# Altium PCB Dahlia Carrier Board.PcbDoc (part 3 of 10) (continued)
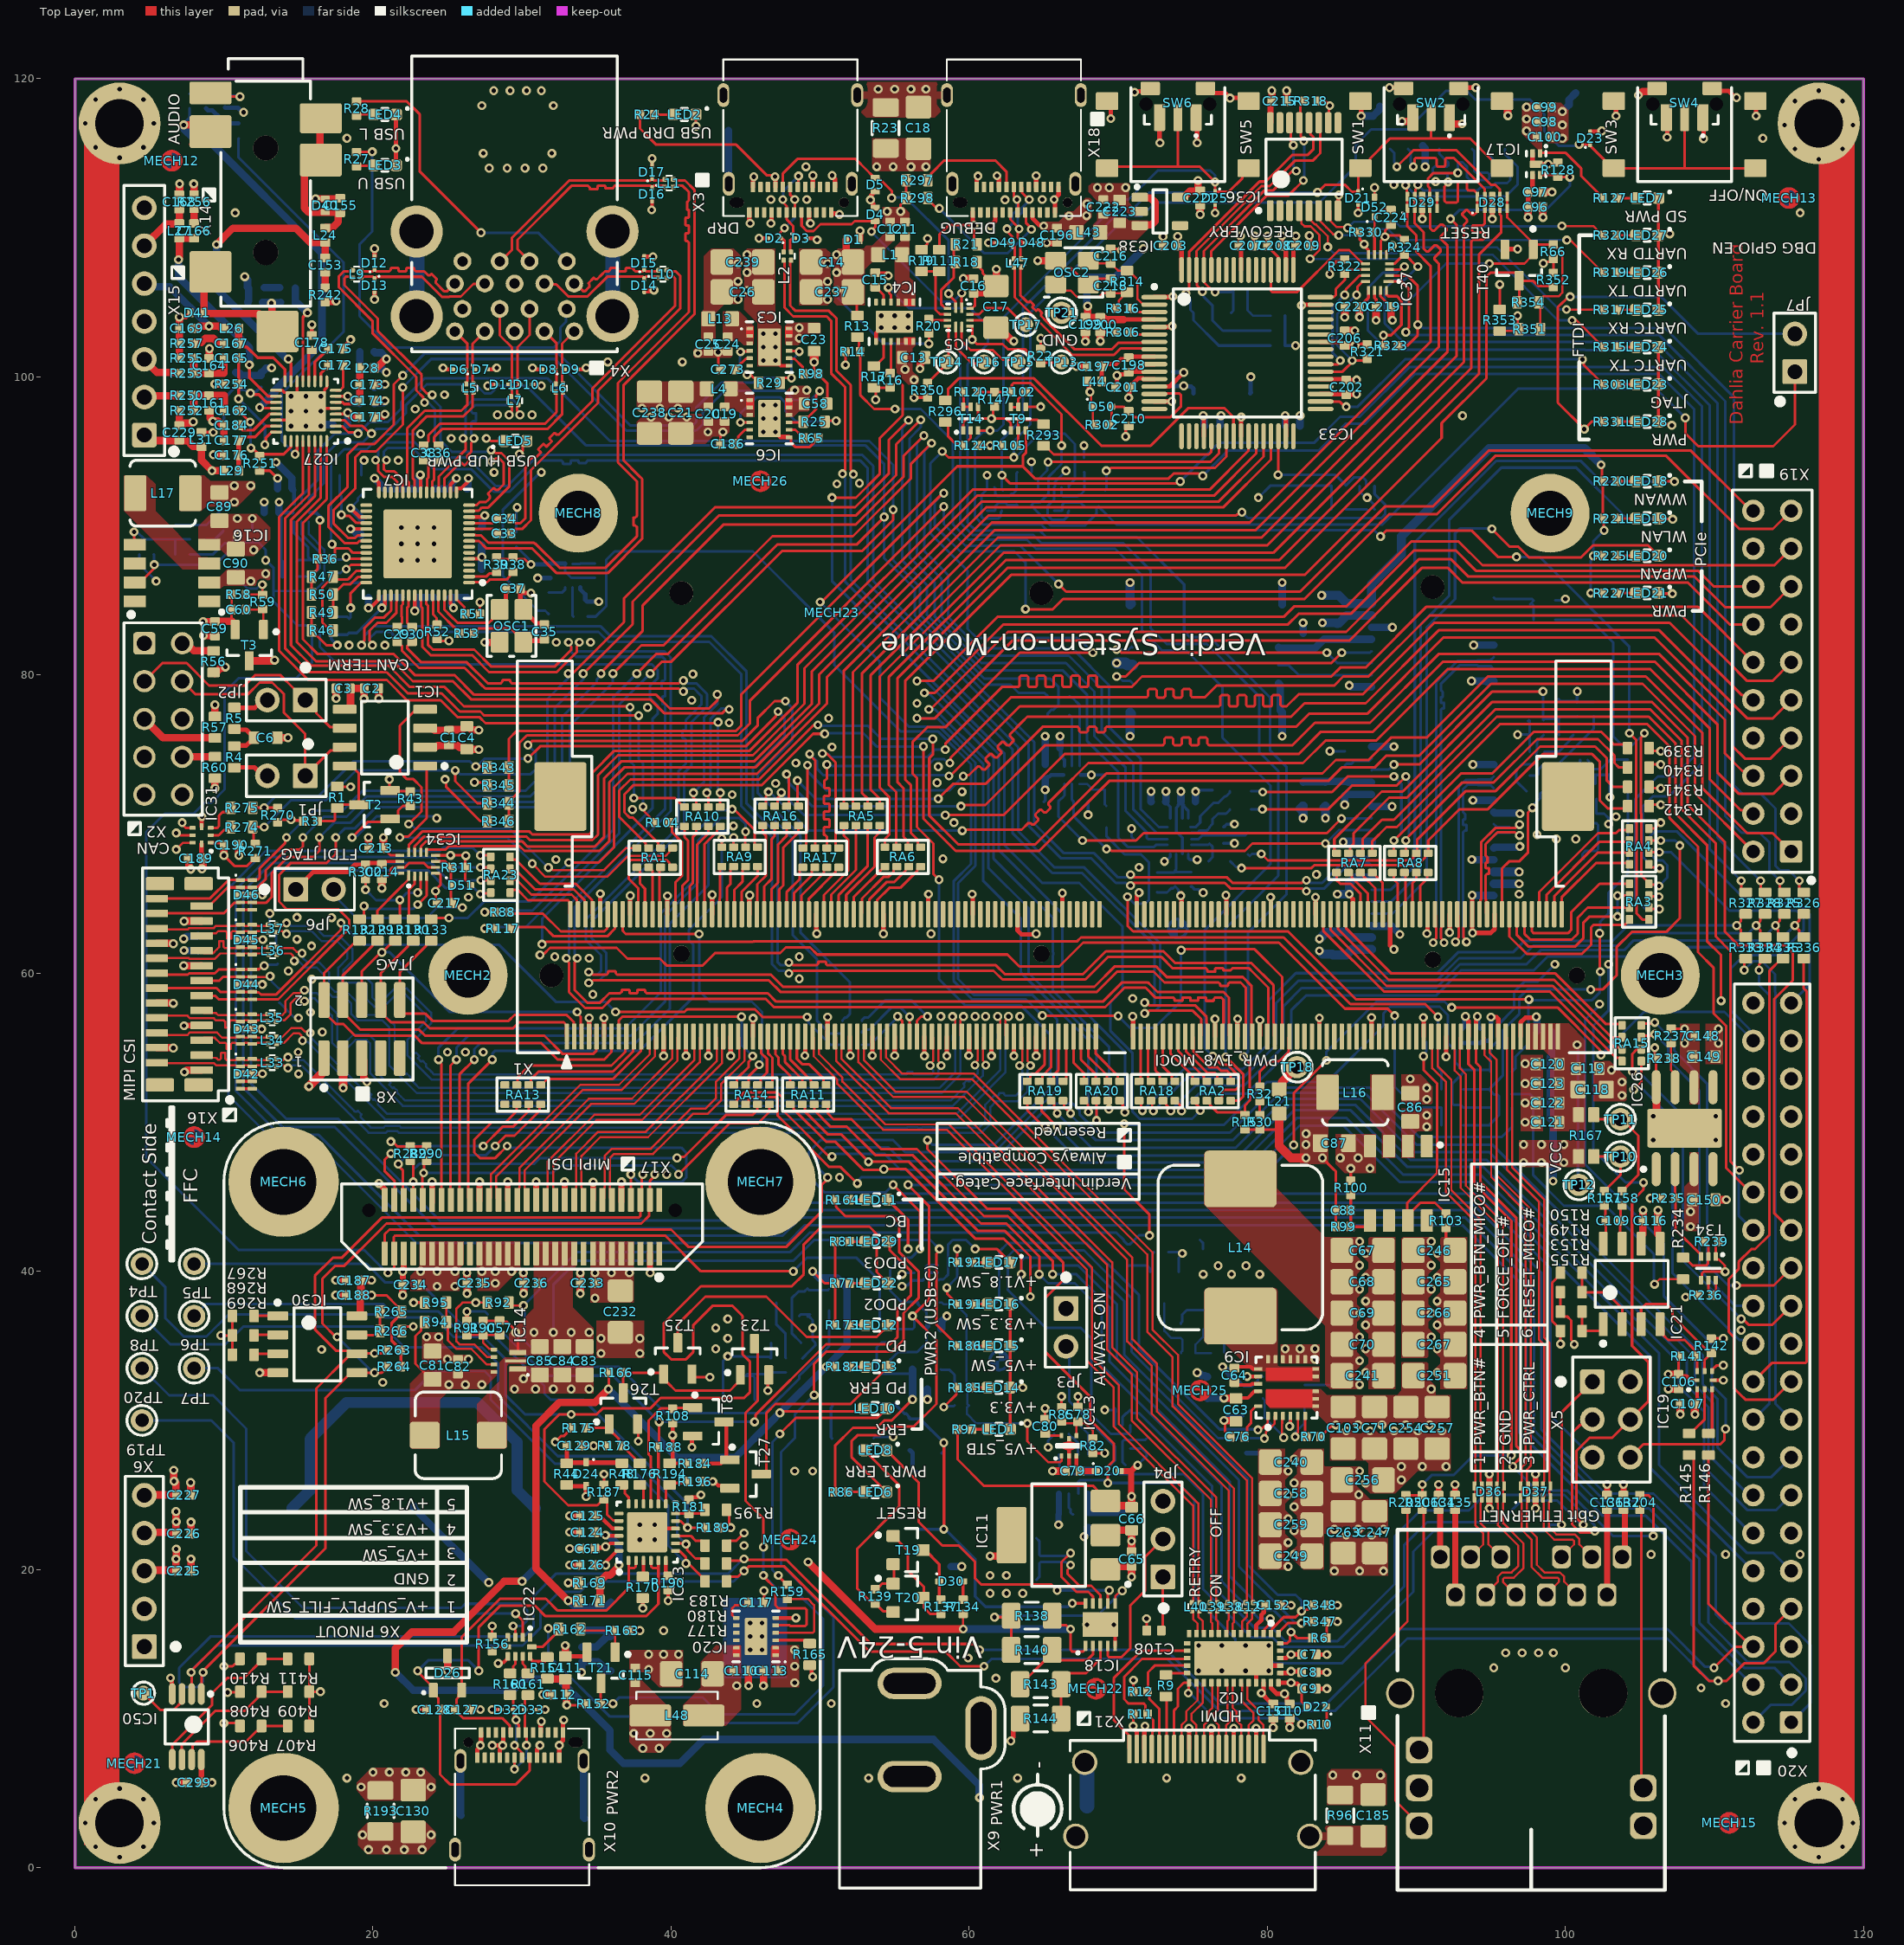
[diagram p0: Top Layer view]
## Part data (continued)
OSC2: library part OSC-HKC-HKC3225SX-12MHz-29105-R4V1, "12MHz Ceramic SMD Crystal, Hong Kong X’tals Limited, HKC3225SX-12MHz-29105-R4V1, 30ppm, -40C to +85C", Manufacturer Name="Hong Kong X’tals Limited", Package="3.2mm X 2.5mm", Temperature Range="-40C to +85C", Tolerance="+/- 30 ppm", Manufacturer Part No.=HKC3225SX-12MHz-29105-R4V1
R1 R7 R8 R9 R13 R25 R29 R34 R42 R45 R56 R60 R61 R64 R67 R68 R69 R89 R92 R94 R95 R101 R116 R129 R130 R131 R132 R133 R145 R146 R149 R150 R153 R155 R162 R165 R169 R170 R171 R177 R180 R194 R195 R210 R211 R213 R217 R230 R231 R232 R234 R247 R265 R266 R267 R268 R269 R274 R275 R278 R279 R280 R281 R291 R292 R293 R294 R295 R296 R325 R326 R327 R328 R333 R334 R335 R336 R339 R340 R341 R342 R343 R344 R345 R346 R351 R353 R354 R406 R407 R408 R409 R410 R411: library part R-0R-63mW-1%-0603, "Resistor 0 ohm 63mW 1% 0603", Rating=63mW, Tolerance=1%
R2 R297 R298: library part R-5.1K-63mW-1%-0603, "Resistor 5.1 Kohm 63mW 1% 0603", Rating=63mW, Tolerance=1%
R3 R14 R15 R16 R22 R30 R33 R35 R36 R43 R66 R73 R74 R78 R80 R87 R93 R103 R108 R110 R113 R114 R118 R121 R123 R125 R126 R128 R137 R147 R152 R163 R166 R175 R178 R181 R184 R187 R188 R189 R190 R196 R214 R222 R226 R228 R229 R233 R236 R239 R282 R283 R284 R285 R300 R321 R322 R323 R324 R350 R352: library part R-100K-63mW-5%-0402, "Resistor 100 Kohm 63mW 5% 0402", Rating=63mW, Tolerance=5%
R4 R5: library part R-56R-125mW-1%-0603, "Resistor 56 ohm 125mW 1% 0603", Rating=125mW, Tolerance=1%
R6 R37 R40 R41 R58 R59 R63 R72 R79 R105 R112 R119 R124 R141 R142 R156 R208 R209 R223 R235 R251 R254 R272 R273 R287 R301 R302 R307 R308 R309 R311 R318 R330 R347 R348: library part R-10K-63mW-5%-0402, "Resistor 10 Kohm 63mW 5% 0402", Rating=63mW, Tolerance=5%
R10: library part R-27K-63mW-5%-0402, "Resistor 27 Kohm 63mW 5% 0402", Rating=63mW, Tolerance=5%
R11 R12 R263 R264 R270 R271 R289 R290: library part R-1.8K-63mW-5%-0402, "Resistor 1.8 Kohm 63mW 5% 0402", Rating=63mW, Tolerance=5%
R17: library part R-28.7K-63mW-1%-0603, "Resistor 28.7 Kohm 63mW 1% 0603", Rating=63mW, Tolerance=1%
R18 R19 R21 R54 R55 R111: library part R-10K-63mW-5%-0603, "Resistor 10 Kohm 63mW 5% 0603", Rating=63mW, Tolerance=5%
R20: library part R-887K-63mW-1%-0402, "Resistor 887 Kohm 63mW 1% 0402", Rating=63mW, Tolerance=1%
R23 R26 R96 R193 R207: library part R-1M-250mW-5%-1206, "Resistor 1 Mohm 250mW 5% 1206", Rating=250mW, Tolerance=5%
R24 R27 R28 R77 R81 R97 R159 R164 R173 R182 R186 R249 R310: library part R-2.2K-63mW-5%-0402, "Resistor 2.2 Kohm 63mW 5% 0402", Rating=63mW, Tolerance=5%
R31 R32 R88 R104 R117 R219 R224 R316: library part R-22R-63mW-5%-0402, "Resistor 22 ohm 63mW 5% 0402", Rating=63mW, Tolerance=5%
R38 R39 R52 R62 R76 R86 R127 R134 R179 R185 R191 R192 R220 R221 R225 R227 R303 R315 R317 R319 R320 R331: library part R-1K-63mW-5%-0402, "Resistor 1 Kohm 63mW 5% 0402", Rating=63mW, Tolerance=5%
R44: library part R-470R-63mW-1%-0603, "Resistor 470 Ohm 63mW 1% 0603", Rating=63mW, Tolerance=1%
R46 R47 R49 R50: library part R-200K-63mW-5%-0603, "Resistor 200 Kohm 63mW 5% 0603", Rating=63mW, Tolerance=5%
R48 R176 R183: library part R-1K-63mW-5%-0603, "Resistor 1 Kohm 63mW 5% 0603", Rating=63mW, Tolerance=5%
R51 R306: library part R-12K-63mW-1%-0402, "Resistor 12 Kohm 63mW 1% 0402", Rating=63mW, Tolerance=1%
R53 R157 R158: library part R-10R-63mW-5%-0402, "Resistor 10 ohm 63mW 5% 0402", Rating=63mW, Tolerance=5%
R57: library part R-100R-63mW-5%-0603, "Resistor 100 ohm 63mW 5% 0603", Rating=63mW, Tolerance=5%
R65 R75 R98: library part R-15KR-63mW-1%-0402, "Resistor 15 Kohm 63mW 1% 0402", Rating=63mW, Tolerance=1%
R70: library part R-330KR-63mW-1%-0402, "Resistor 330 Kohm 63mW 1% 0402", Rating=63mW, Tolerance=1%
R71 R212: library part R-47K-63mW-1%-0402, "Resistor 47 Kohm 63mW 1% 0402", Rating=63mW, Tolerance=1%
R82: library part R-261K-63mW-1%-0402, "Resistor 261 Kohm 63mW 1% 0402", Rating=63mW, Tolerance=1%
R83 R84: library part R-100K-63mW-5%-0603, "Resistor 100 Kohm 63mW 5% 0603", Rating=63mW, Tolerance=5%
R85: library part R-33K-63mW-1%-0402, "Resistor 33 Kohm 63mW 1% 0402", Rating=63mW, Tolerance=1%
R90: library part R-732K-63mW-1%-0402, "Resistor 732 Kohm 63mW 1% 0402", Rating=63mW, Tolerance=1%
R91: library part R-100K-63mW-1%-0402, "Resistor 100 Kohm 63mW 1% 0402", Rating=63mW, Tolerance=1%
R99: library part R-300K-63mW-1%-0402, "Resistor 300 Kohm 63mW 1% 0402", Rating=63mW, Tolerance=1%
R100 R106 R107: library part R-150K-63mW-1%-0402, "Resistor 150 Kohm 63mW 1% 0402", Rating=63mW, Tolerance=1%
R102 R109 R115 R120 R245: library part R-1M-63mW-5%-0402, "Resistor 1 Mohm 63mW 5% 0402", Rating=63mW, Tolerance=5%
R135 R167: library part R-Vishay-WSK1206R0100FEA18, "10 mOhms ±1% 0.5W,Chip Resistor 1206 (3216 Metric) Current Sense, Moisture Resistant, Pulse Withstanding Metal Element", Manufacturer Name=Vishay, Manufacturer Part No.=WSK1206R0100FEA18, Rating=0.5W, Tolerance=1%, ClassName=Power_Poly
R136: library part R-22K-250mW-1%-1206, "Resistor 22 Kohm 250mW 1% 1206", Rating=250mW, Tolerance=1%
R138: library part R-300K-250mW-1%-1206, "Resistor 300 Kohm 250mW 1% 1206", Rating=250mW, Tolerance=1%
R139 R204 R205 R206: library part R-330R-63mW-5%-0402, "Resistor 330 ohm 63mW 5% 0402", Rating=63mW, Tolerance=5%
R140: library part R-412K-250mW-1%-1206, "Resistor 412 Kohm 250mW 1% 1206", Rating=250mW, Tolerance=1%
R143: library part R-84.5K-250mW-1%-1206, "Resistor 84.5 Kohm 250mW 1% 1206", Rating=250mW, Tolerance=1%
R144: library part R-15K-250mW-1%-1206, "Resistor 15 Kohm 250mW 1% 1206", Rating=250mW, Tolerance=1%
R154 R160 R161: library part R-2.2R-63mW-5%-0603, "Resistor 2.2 ohm 63mW 5% 0603", Rating=63mW, Tolerance=5%
R237: library part R-40.2KR-63mW-1%-0402, "Resistor 40.2 Kohm 63mW 1% 0402", Rating=63mW, Tolerance=1%
R238: library part R-20KR-63mW-1%-0402, "Resistor 20 Kohm 63mW 1% 0402", Rating=63mW, Tolerance=1%
R242 R243 R256 R257: library part R-20R-63mW-5%-0402, "Resistor 20 ohm 63mW 5% 0402", Rating=63mW, Tolerance=5%
R250 R252 R253 R255: library part R-5.6K-63mW-5%-0402, "Resistor 5.6 Kohm 63mW 5% 0402", Rating=63mW, Tolerance=5%
R314: library part R-1M-63mW-5%-0603, "Resistor 1Mohm 63mW 5% 0603", Rating=63mW, Tolerance=5%
RA1 RA2 RA3 RA4 RA5 RA6 RA7 RA8 RA9 RA10 RA11 RA13 RA14 RA15 RA16 RA17 RA18 RA19 RA20 RA22 RA23: library part RA-22R-63mW-5%-1206-div, "Resistor Array 22 R 63mW 5% 1206", Power Dissipation=63mW, Tolerance=5%
SW1 SW3 SW5: library part SW-WMF-TD-03XB, "Push Button", Manufacturer Name=WMF, Manufacturer Part No.=TD-03XB-Z, Rating=50mA
SW2 SW4 SW6: library part SW-E-Switch-TL3340AF160QG, "SWITCH TACT SUB MINI 160GF SMD Right Angle", Manufacturer Name=E-Switch, Manufacturer Part No.=TL3340AF160QG
T1 T6: library part T-ONSemi-NTZD3155CT1G, "N- and P-Channel MOSFET 20V", Manufacturer Name=ONSemi, Manufacturer Part No.=NTZD3155CT1G
T2 T8 T13 T16 T21 T23 T25 T26 T27 T40: library part T-Diodes-BSS138-7-F, "N-channel MOSFET, BSS138-7-F", Manufacturer Name=Diodes, Manufacturer Part No.=BSS138-7-F
T3 T32: library part T-IR-IRLML6401PbF-SOT-23, "p-channel MOSFET, IRLML6401PbF", Manufacturer Name="International Rectifier", Manufacturer Part No.=IRLML6401PbF
T5 T19 T20: library part "T-ONSemi-MMBT5551LT1G -SOT-23", "Bipolar Transistor NPN 160V 600mA  225mW Surface Mount SOT-23-3", Manufacturer Name=ONSemi, Manufacturer Part No.=MMBT5551LT1G
T9 T10 T12 T14 T29 T31 T33 T34 T37: "Dual N-Channel 20V (D-S)  MOSFET", Manufacturer Name=ONSemi, Manufacturer Part No.=NTZD3154NT1G
T11: library part T-Diodes-DMP2022LSS-13-8-SOIC, "p-channel MOSFET, DMP2022LSS-13", Manufacturer Name=DIODES, ClassName=Power_Poly, Manufacturer Part No.=DMP2022LSS-13
T15: library part T-DiodesInc-DMP4015SSS-13, "P-channel MOSFET, DMP4015SSS-13", Manufacturer Name="Diodes Inc", ClassName=Power_Poly, Manufacturer Part No.=DMP4015SSS-13
T17 T18: library part T-ONSemi-NTMFS5C670NLT1G, "MOSFET N-CH 60V 68A SO8FL", Manufacturer Name=ONSemi, Manufacturer Part No.=NTMFS5C670NLT1G
TP1 TP13 TP14 TP15 TP16 TP17: "Testpin SMD"
TP4 TP5 TP6 TP7 TP8 TP10 TP11 TP12 TP18 TP19 TP20 TP21: "Testpin THT"
X1: library part CON-TE-2309409-2, "DDR4 SODIMM Socket, 260 pins, 5.2mm(H), 0.5mm Pitch", Manufacturer Name=TE, Package=DDR4-SODIMM-260, Temperature Range="-40C to +125C", Manufacturer Part No.=2309409-2
X2: library part CON-Header-2x5-Male-2.54mm, "Header Male, 2x5 Pins, 2.54mm pitch", Manufacturer Name=FCI, Manufacturer Part No.=77313-101-10LF, No. of ways=10
X3 X10 X18: library part CON-Amphenol-12401598E4#2A, "USB 3.1 Gen 2, Input Output Connectors, USB type C, Receptacle, Top mount, dual-row SMT, 1.6mmPCB", Manufacturer Name=Amphenol, Manufacturer Part No.=12401598E4#2A, No. of ways=24
X4: library part CON-Amphenol-GSB311231HR, "USB 3.0 double row, Type A", Manufacturer Name=Amphenol, Manufacturer Part No.=GSB311231HR, No. of ways=18
X5: library part CON-Samtec-SSW-103-01-G-D, "Receptacle Female Socket, 2x3 Pins, 2.54mm pitch", Manufacturer Name=Samtec, Manufacturer Part No.=SSW-103-01-G-D, No. of ways=2x3, Pitch=2.54mm
X6: library part CON-Tyco-826936-5-1X5-2.54mm, "Header, 5-Pin", Manufacturer Name=Tyco, Manufacturer Part No.=826936-5, No. of ways=1X5, Pitch=2.54mm
X7: library part CON-Wurth-693071010811, "Micro SD Holder Push Push CD", Manufacturer Name=Wurth, Manufacturer Part No.=693071010811, No. of ways=9
X8: library part CON-Samtec-FTSH-105-01-L-DV-1X10-1.27mm, "Male Header, 10-Pin, 1.27mm Pitch", Manufacturer Name=Samtec, Manufacturer Part No.=FTSH-105-01-L-DV-K, No. of ways=1X10, Pitch=1.27mm
X9: library part CON-SWC-RAPC722X, "Power Jack", Manufacturer Name=SWC, Manufacturer Part No.=RAPC722X
X11: library part CON-ETH-RJ45-1000BaseT, "10/100/1000 MBit/s Gigabit Ethernet RJ45 Connector, Low profile, Mag Jack, Temp. Range: -40C to +100C", Manufacturer Name=LINK-PP, Manufacturer Part No.=LPJK7436A98NL
X12: library part CON-Molex-1042240820, "6 Contacts Nano Sim Card Holder", Manufacturer Name=Molex, Manufacturer Part No.=1042240820
X13: library part CON-Molex-67910-5700, "PCIe_Mini Card Holder", Manufacturer Name=Molex, Manufacturer Part No.=67910-5700
X14: library part CON-Cui-SJ-43516-SMT-6-3.5mm, "3.5mm Stereo Jack SMD With Detect Contact", Manufacturer Name="Cui INC", Manufacturer Part No.=SJ-43516-SMT, No. of ways=6
X15: library part CON-Samtec-TSW-107-07-G-S, "Header male, 1X7 Pins, 2.54 mm pitch", Manufacturer Name=Samtec, Manufacturer Part No.=TSW-107-07-G-S, No. of ways=1X7, Pitch="2.54 mm"
X16: library part CON-Hirose-FH12-24S-0.5SVA(54)-0.5mm, "0.50mm Pitch FFC/FPC Vertical DVI Connector", Manufacturer Name=Hirose, Manufacturer Part No.=FH12-24S-0.5SVA(54), No. of ways=24, Pitch=0.5mm
X17: library part CON-Samtec-LSS-130-03-L-DV-A-K-TR-CARRIER, "60 Position Connector, Self Mating, Non-Gendered, Surface Mount", Manufacturer Name=Samtec, Manufacturer Part No.=LSS-130-03-L-DV-A-K-TR, No. of ways=60, Pitch=0.635mm
X19: library part CON-Samtec-TSW-110-07-G-D, "Header 2x10 pin 2.54mm pitch", Manufacturer Name=Samtec, Manufacturer Part No.=TSW-110-07-G-D, No. of ways=2x10, Pitch=2.54mm
X20: library part CON-Samtec-TSW-120-07-G-D, "Header 2x20 pin 2.54mm pitch", Manufacturer Name=Samtec, Manufacturer Part No.=TSW-120-07-G-D, No. of ways=2x20, Pitch=2.54mm
X21: library part CON-FCI-10029449-111RLF, "HDMI Connector Right Angle Vertical THT", Manufacturer Name=FCI, Manufacturer Part No.=10029449-111RLF, No. of ways=19

## Free pads (board coordinates)
  round 5.5 hole 3.25: 0(3,3) 0(3,117) 0(117,3) 0(117,117)

## Via types
v1: diameter 0.6, hole 0.3, Top Layer to Bottom Layer, tented both sides, 1316 vias
v2: diameter 0.6/0/0/0/0/0.6 (per signal layer), hole 0.3, Top Layer to Bottom Layer, tented both sides, 70 vias
v3: diameter 0.6, hole 0.3, Top Layer to Bottom Layer, 58 vias
v4: diameter 0.6/0.6/0.6/0.6/0.6/0.6 (per signal layer), hole 0.3, Top Layer to Bottom Layer, tented both sides, 1 vias

## Nets (pads, with @x,y where several pads share a name; then routed paths per layer and width w, separated by ;. In a path a pad name is that pad's centre, name@x,y a point inside that pad or via, vN(x,y) a via of type N, cw(c..) or ccw(c..) an arc to the next point about the centre after c; other vN are vias at no path point)
1.5V_PCIE_1_PWR_EN: R234.1 R239.2 T34.2 | length 3.6
  Top Layer w0.175: R234.1@107.9,40.925 108,40.925 108.525,40.4 109.461,40.4 109.564,40.503 109.564,40.954 T34.2@109.6,40.99 109.6,41.752 109.575,41.778 109.518,41.778 109.358,41.938 109.32,41.975 R239.2@109.32,42
1.8V_EN: IC15.7 R101.2 R103.2 | length 16.5
  Top Layer w0.175: IC15.7@89.4,43.784 89.4,44.6 91.4,46.6 91.4,52.6 90.482,53.518 v1(90.482,54.429) ; IC15.7@89.435,43.4 89.469,43.434 89.469,43.557 89.469,43.784 90.285,44.6 91.255,44.6 91.975,43.88 R103.2@92,43.88
  Bottom Layer w0.175: v1(90.482,54.429) 90.482,54.535 90.675,54.728 R101.2@90.675,55.4
3.3V_PCIE_1_PWR_EN: R232.2 R233.2 T33.5 | length 3.3
  Bottom Layer w0.175: T33.5@101.5,74.29 101.575,74.215 101.575,73.962 101.837,73.7 102.395,73.7 R233.2@102.975,74.28 ; R233.2@103,74.28 103.045,74.325 R232.2@104.2,74.325
3.3V_PGOOD: IC9.1 R67.2 | length 31
  Top Layer w0.15: v1(79.377,29.362) 79.42,29.362 79.529,29.471 79.671,29.471 80.029,29.829 80.029,30.279 IC9.1@80.05,30.3
  Bottom Layer w0.175: R67.2@60.525,37.9 61.8,37.9 62,38.1 62,41.3 62.6,41.9 67.9,41.9 71.4,38.4 71.4,34.8 76.8,29.4 79.3,29.4 79.338,29.362 v1(79.377,29.362)
3.3V_SW_EN: R116.2 R118.2 T13.1 | length 3.2
  Bottom Layer w0.175: R116.2@70.7,40.375 70.725,40.4 71.937,40.4 72.15,40.188 T13.1@72.15,39.95 72.3,40.1 72.3,41.18 R118.2@72.42,41.3
5V_EN: IC14.5 R92.2 R93.2 | length 8.3
  Top Layer w0.154: R92.2@27.675,37.9 26,37.9 25.6,37.5 25.6,35.3 25.8,35.1 26.795,35.1 27.644,34.25 IC14.5@28.12,34.25
  Bottom Layer w0.154: v1(26.9,37.9) 27.52,37.9 R93.2@27.7,38.08
+V1.2_USB: C46.2 C47.2 C48.2 C49.2 C50.2 C51.2 C52.2 C53.2 C54.2 C55.2 C56.2 C89.2 C91.2 IC7.5 IC7.12 IC7.15 IC7.21 IC7.28 IC7.33 IC7.43 IC7.49 L17.2 R63.2 R106.2 | length 25.2
  Top Layer w0.25: v1(18.5,89.8) IC7.33@19.55,89.8 ; v1(19.7,84.5) 19.634,84.5 19.567,84.567 19.886,84.567 20.394,85.075 20.4,85.075 IC7.43@20.4,85.35 ; v1(20.1,93.2) 20.4,92.9 IC7.28@20.4,92.25 ; v1@22.8,84.3 IC7.49@22.8,85.35 ; v1(23.175,93.425) 23.2,93.4 23.2,92.697 23.203,92.694 23.2,92.691 23.2,92.525 IC7.21@23.2,92.25 ; IC7.15@25.6,92.25 25.6,92.525 25.92,92.525 26.4,93.005 v1(26.4,93.2) ; IC7.5@26.45,87.8 27.105,87.8 27.205,87.9 v1(27.3,87.9) ; IC7.12@26.45,90.6 27.305,90.6 27.405,90.7 v1(27.5,90.7)
  Bottom Layer w0.175: R106.2@6.734,90.074 8.794,90.074 R63.2@8.8,90.08 8.825,90.08 10.264,91.519 10.619,91.519 v1(10.7,91.6)
  Bottom Layer w0.5: v1(18.5,89.8) 18.519,89.781 18.6,89.781 18.901,89.48 19.17,89.48 19.21,89.44 C53.2@19.21,89.4 ; v1(19.7,84.5) C55.2@19.7,85.21 ; v1(20.1,93.2) 20.72,92.58 20.72,92.53 20.76,92.49 C52.2@20.8,92.49 C51.2@21.9,92.49 C50.2@23,92.49 23.04,92.49 23.08,92.53 23.08,93.303 23.175,93.398 v1(23.175,93.425) ; v1(22.8,84.3) 22.8,84.327 22.979,84.506 22.979,85.189 C56.2@23,85.21 ; C56.2@22.96,85.21 C56.2@23,85.21 ; C54.2@24.1,85.21 C56.2@23,85.21 ; C49.2@26.3,92.49 26.34,92.49 26.38,92.53 26.38,93.153 26.4,93.173 v1(26.4,93.2) ; C46.2@27.29,87.1 C47.2@27.29,88.7 ; C48.2@27.29,89.9 27.33,89.94 27.33,90.503 27.5,90.673 v1(27.5,90.7)
  other v1: 10.7,92.7 11.8,92.7
+V1.5_PCIE_1: C148.2 C149.2 IC26.6 R237.2 X13.6 X13.28 X13.48 | length 5.8
  Top Layer w0.175: R237.2@107.1,56.275 107.975,56.275 107.987,56.263 v1(108,56.263)
  Bottom Layer w0.5: X13.48@87,63.2 87.05,63.15 88.35,63.15 v1(88.9,62.6) ; X13.28@87,71.2 87.025,71.175 87.038,71.188 88.362,71.188 v1(88.375,71.175) ; X13.6@87,83.2 v1(88.4,83.2)
  other v1: 108,55.3
+V1.8_SW: C2.2 C3.2 C7.2 C8.1 C32.2 C87.2 C88.2 C107.2 C140.2 C150.2 C170.2 C171.2 C187.2 C188.2 C190.2 C192.2 C195.2 C219.2 C224.2 C227.2 C229.1 C234.2 C299.2 IC1.5 IC2.31 IC2.33 IC8.1 IC19.1 IC19.5 IC25.1 IC26.3 IC27.4 IC30.8 IC31.1 IC31.5 IC32.6 IC32.14 IC32.15 IC32.16 IC37.6 IC37.14 IC37.16 IC50.8 L16.2 L21.2 L28.1 L29.1 L30.1 L31.1 R2.1 R3.1 R6.2 R15.2 R22.2 R30.2 R99.2 R235.1 R236.2 R263.1 R264.1 R265.1 R267.1 R268.1 R269.1 R270.1 R271.1 R289.1 R290.1 R323.1 R324.2 R347.1 R348.1 R350.1 R406.1 R408.1 R410.1 T29.5 X6.5 X15.1 X17.43 X17.45 X17.47 X17.49 X17.51 X19.18 X20.26 | length 132.2
  Top Layer w0.175: v1(7.2,70.1) 7.225,70.1 7.3,70.025 7.287,70.012 7.287,69.888 7.425,69.75 IC31.5@7.895,69.75 ; v1(9.8,35.7) R268.1@10.575,35.7 ; v1(9.994,9.694) R406.1@10.823,9.694 ; v1(10,13.5) 10.575,13.5 10.737,13.662 10.837,13.662 11.075,13.9 R410.1@11.075,14 ; v1(10,67.9) 10.7,67.2 11.555,67.2 11.878,67.522 12.075,67.72 R271.1@12.1,67.72 ; v1(10.25,11.75) 11.025,11.75 R408.1@11.075,11.8 ; R269.1@10.575,34.4 R268.1@10.575,35.7 ; R267.1@10.575,37 R268.1@10.575,35.7 ; R270.1@13.6,70.12 13.78,70.3 v1(14.5,70.3) 14.55,70.25 15.27,70.25 R3.1@15.32,70.2 ; v1(19.9,38.4) 20.9,38.4 21.662,37.638 21.687,37.638 21.925,37.4 R265.1@21.925,37.3 ; v1(21.2,48.7) 21.315,48.7 21.635,48.38 R290.1@23.6,48.38 ; R15.2@78.5,49.52 R30.2@79.5,49.52 80.78,49.52 80.8,49.5 ; L21.2@80.52,50.32 L21.2@80.8,50.6 ; v1(83.7,47.6) 84.385,46.915 84.61,46.69 C88.2@84.61,44.1 84.61,43.01 R99.2@84.62,43 ; R6.2@83.98,15.4 R347.1@83.98,16.5 ; R348.1@83.98,17.6 v1(84.7,17.6) ; R347.1@84,16.5 v1(84.7,16.5) ; IC37.6@87.6,108.2 87.612,108.213 87.612,109.112 v1(87.9,109.4) 88,109.5 88.019,109.481 88.096,109.481 88.115,109.5 88.875,109.5 88.978,109.397 88.978,109.378 89.175,109.18 R324.2@89.2,109.18 ; v1@87.918,109.5 87.918,109.828 88.057,109.967 88.057,110.008 88.26,110.21 C224.2@88.3,110.21 ; v1(105.7,44.9) R235.1@106.42,44.9 R235.1@106.42,44.875 ; IC19.5@109.845,33.305 109.882,33.342 109.882,33.417 110.16,33.695 110.595,33.695 v1(110.6,33.7)
  Top Layer w0.18: v1(108.07,38.27) 108.2,38.4 R236.2@108.92,38.4
  Top Layer w0.2: IC27.4@17.5,97.5 v1@18.092,97.5 ; v1(18.3,97.6) v1@18.302,97.6 ; R264.1@21.88,33.6 R263.1@21.88,34.7 21.88,34.725 21.25,35.355 21.25,36.525 21.925,37.2 R265.1@21.925,37.3 ; v1(56.3,98.6) 56.31,98.61 57.19,98.61 R350.1@57.2,98.62 ; R22.2@64.8,101.88 v1(64.8,102.6) ; IC37.14@87.2,105.8 87.2,105.3 87.304,105.196 87.304,104.706 C219.2@87.31,104.7 ; R323.1@87.82,102.1 87.81,102.11 87.81,102.89 87.8,102.88 v1(87.8,102.8) 88.3,102.8 89,103.5 89,105.1 88.7,105.4 88.117,105.4 88,105.517 IC37.16@88,105.8
  Top Layer w0.25: IC31.1@9.105,68.75 9.87,68.75 9.996,68.624 C190.2@9.996,68.584 ; v1(10,67.9) v1@10.005,67.905 ; C190.2@10.005,68.595 C190.2@10.01,68.6 ; C107.2@108.845,31.255 IC19.1@108.845,32.095
  Top Layer w0.3: IC2.31@80.875,13.05 81.406,13.05 81.519,13.163 v1(81.6,13.163) ; IC2.33@80.875,14.05 81.283,14.05 81.519,14.286 v1(81.6,14.286) ; v1@81.6,13.2 81.65,13.15 82.26,13.15 C8.1@82.31,13.1 ; v1@81.6,14.3 C7.2@82.31,14.3
  Top Layer w0.4: IC50.8@8.481,7.248 8.49,7.239 C299.2@8.49,5.7
  Top Layer w0.5: X6.5@4.66,24.98 4.68,25 C227.2@6.81,25 6.77,25.04 6.77,25.819 v1@6.756,25.832 ; X15.1@5,96.63 5,95.96 5.235,95.725 6.965,95.725 C229.1@7,95.76 7.04,95.72 7.54,95.72 7.91,95.35 8.46,95.35 L31.1@8.5,95.31 8.5,94.4 v1(9.2,93.7) L29.1@10.01,93.7 ; v1(6.628,26.658) 6.64,26.646 6.64,25.927 v1(6.652,25.915) ; C299.2@8.49,5.7 v1(9.2,5.7) ; v1@10.005,67.905 C190.2@10.005,68.595 ; IC1.5@18.1,77.705 18.44,77.705 18.49,77.755 C3.2@18.49,79.1 C2.2@19.41,79.1 19.4,79.09 v1(19.4,78.4) ; v1@18.302,97.6 18.602,97.3 C171.2@19.11,97.3 ; IC30.8@18.917,37.008 19.1,37.008 19.15,37.058 19.15,38.36 C188.2@19.19,38.4 ; v1(19.9,38.4) C188.2@19.19,38.4 ; v1(19.9,39.4) C187.2@19.19,39.4 C188.2@19.19,38.4 ; L28.1@20.09,100.6 20.09,100.64 20.13,100.68 20.323,100.68 20.823,101.181 20.881,101.181 v1(20.9,101.2) ; v1@87.305,103.805 87.305,104.695 C219.2@87.31,104.7
  Top Layer w0.55: C107.2@108.69,31.1 108.695,31.095 108.695,30.405 v1(108.7,30.4)
  Top Layer w0.6: L21.2@80.8,50.6 80.8,49.5 80.8,48.399 81.599,47.6 v1(82.6,47.6)
  Layer 2 w0.5: v1(56.3,98.6) 60.473,98.6 60.498,98.575 64.504,102.581 64.781,102.581 v1(64.8,102.6) 64.819,102.581 65.019,102.581 66,101.6 80.2,101.6 83.31,104.71 86.79,104.71 87.281,104.219 87.281,103.819 v1(87.3,103.8)
  Bottom Layer w0.175: v1(55.5,39.8) 55.615,39.8 55.715,39.9 T29.5@56.31,39.9 ; R2.1@99.325,85 99.9,85 v1(100,85.1)
  Bottom Layer w0.2: IC32.6@74.3,68 74.3,69.1 73.9,69.5 IC32.14@73.9,70.4 73.9,71.1 74.02,71.22 74.02,71.31 C192.2@74.21,71.5 C192.2@74.21,71.46 ; IC32.15@74.3,70.4 C192.2@74.3,71.2 ; C192.2@74.3,71.27 C192.2@74.3,71.3 ; C192.2@74.315,71.285 C192.2@74.3,71.3 ; C192.2@74.385,71.285 74.4,71.27 74.4,71.2 74.7,70.9 IC32.16@74.7,70.4 ; C195.2@74.9,65.81 74.94,65.81 75.13,65.62 75.372,65.62 75.592,65.4 v1(75.7,65.4) ; C192.2@74.21,71.46 74.21,71.39 C192.2@74.3,71.3 ; C192.2@74.21,71.46 74.3,71.37 C192.2@74.3,71.3
  Bottom Layer w0.25: IC8.1@14.7,91.505 C32.2@14.7,92.4 ; C140.2@66.09,75.1 66.149,75.041 66.149,74.551 66.4,74.3 IC25.1@66.4,73.905
  Bottom Layer w0.3: C32.2@14.59,92.5 14.595,92.505 C32.2@14.7,92.4
  Bottom Layer w0.5: v1(13.497,94.276) 14.55,93.223 14.55,92.55 C32.2@14.595,92.505 ; C170.2@18.29,96.8 18.295,96.805 18.295,97.595 v1(18.3,97.6) ; L30.1@20.09,101.7 20.09,101.66 20.13,101.62 20.552,101.62 20.9,101.272 v1(20.9,101.2) ; C140.2@66.09,75.1 66.1,75.11 v1(66.1,75.9) ; C192.2@74.21,71.5 v1(74.21,72.19)
  other v1: 24.3,39 25.5,39 23.2,40 24.3,40 25.5,40 108.4,43 108.4,44 82.6,48.5 82.607,49.231
+V3.3: C59.2 C60.2 C67.2 C68.2 C69.2 C70.2 C77.1 C81.2 C82.2 C86.2 C90.2 C92.2 C142.2 C143.2 C241.2 C242.2 C243.2 C244.2 C245.2 C246.2 C265.2 C266.2 C267.2 C268.2 C269.2 C270.2 C271.2 C272.2 IC12.5 IC14.7 IC15.2 IC16.2 L14.2 L15.1 L18.1 R58.2 R71.2 R72.2 R73.2 R74.2 R86.2 R94.1 R113.2 R167.1 R185.1 R228.2 T3.2 T11.1 T11.2 T11.3 T32.2 | length 39.7
  Top Layer w0.15: R58.2@10.52,85.4 10.52,84.41 C60.2@10.51,84.4 10.51,83.64 10.55,83.6 10.75,83.4 T3.2@10.75,83.05 ; C90.2@10.707,86.457 C90.2@10.8,86.55
  Top Layer w0.175: R94.1@23.475,36.6 23.237,36.363 23.237,36.037 22.853,35.653 22.853,33.804 23.907,32.75 C81.2@24,32.75 ; R86.2@50.92,25.2 50.92,25.24 51,25.32 51,28.3 52.2,29.5 53.8,29.5 54.3,30 54.8,30 v1(56.2,31.4) ; v1(58.3,30.9) 59.13,31.73 59.13,32.11 R185.1@59.22,32.2
  Top Layer w0.5: v1(8.6,83.575) 9.385,83.575 C59.2@9.4,83.59 9.41,83.6 T3.2@10.55,83.6
  Bottom Layer w0.175: R72.2@54.7,35.22 54.12,35.22 53.8,34.9 53.8,33.4 54.08,33.12 R73.2@54.7,33.12 55.988,33.12 56.2,33.332 IC12.5@56.2,33.425 ; v1(58.3,30.9) 58.25,30.95 58.97,30.95 R74.2@59.02,31 ; R113.2@74.2,36.48 74.2,36.529 74.3,36.629 74.3,37.1 74.6,37.4 76.165,37.4 76.965,36.6 T11.3@76.965,36.1 77.1,35.965 77.1,34.59 C92.2@77.19,34.5 ; R71.2@82.5,32.38 84.383,32.38 C271.2@85.003,33 ; R228.2@102.08,71.7 102.09,71.69 C143.2@102.09,70.7 102.6,70.7 102.9,70.4 v1(102.9,70)
  Bottom Layer w0.2: v1(56.2,31.4) 56.2,31.41 56.205,31.405 v1@56.205,31.425
  Bottom Layer w0.5: IC12.5@56.2,33.425 56.21,33.415 C77.1@56.21,32.1 ; v1@56.205,31.425 56.205,32.095 C77.1@56.208,32.097
  other v1: 25.1,32.4 26.2,32.4 27.3,32.4 86.2,32.4 86.2,34 86.2,35.6 91,35.6 86.2,37.2 91,37.2 86.2,38.8 91,38.8 86.2,40.4 91,40.4 86.2,42 91,42 97.2,47.3 98.4,47.3 99.9,47.3 97.2,48.5 98.4,48.5 99.9,48.5 90.7,49.7 90.7,50.463 103.4,70.5 11.8,86.3 12.8,86.8
+V3.3_DBG: C204.2 C205.2 C206.2 C207.2 C208.2 C212.2 C213.2 C215.2 C220.2 C221.2 D50.C IC33.20 IC33.31 IC33.42 IC33.50 IC33.56 IC34.13 IC35.8 IC36.10 IC36.16 IC37.13 IC38.5 JP7.2 L44.1 L45.1 R105.2 R112.2 R119.2 R124.2 R245.2 R301.2 R302.2 R307.2 R308.2 R309.2 R318.2 R321.1 R322.2 R331.2 | length 74.7
  Top Layer w0.15: v1(68.103,98.997) 68.103,98.875 68.193,98.785 68.193,98.188 D50.C@68.105,98.1 ; D50.C@68.24,98 68.3,97.94 68.3,96.92 R302.2@68.42,96.8
  Top Layer w0.175: C213.2@20.69,68.4 C213.2@20.69,68.39 ; C213.2@20.7,68.4 C213.2@20.69,68.39 ; IC34.13@21.8,67.9 21.19,67.9 20.932,68.157 20.892,68.157 20.69,68.36 C213.2@20.69,68.39 ; R124.2@60.58,95.4 v1(61.4,95.4) ; v1@61.481,95.4 R105.2@62.22,95.4 ; R318.2@83.38,118.5 83.9,118.5 v1(84.2,118.2) 84.145,118.145 84.145,117.095 IC36.10@84.1,117.05 ; v1@85.881,102.209 85.9,102.19 v1(85.9,102.1) ; v1(100.325,105.375) 100.21,105.375 99.874,105.04 99.862,105.04 99.5,104.678 99.5,98.275 v1(101.275,96.5) 101.775,97 R331.2@102.52,97
  Top Layer w0.2: v1(84.2,106.9) 84.2,107.3 84.647,107.747 85.067,107.747 R322.2@85.2,107.88 ; v1@85.881,102.209 86.671,102.209 R321.1@86.7,102.18 ; C220.2@86.19,104.7 86.19,104.74 86.38,104.93 86.42,104.93 86.8,105.31 IC37.13@86.8,105.8
  Top Layer w0.3: L44.1@67.91,99.7 68.025,99.585 68.025,99.075 v1(68.103,98.997) ; v1(75.7,97.4) 75.75,97.35 IC33.20@75.75,96.025 ; v1(78.2,109.46) 78.155,109.415 78.155,108.845 C207.2@78.11,108.8 78.25,108.66 IC33.56@78.25,107.175 ; v1(80.99,109.46) C208.2@80.99,108.8 80.99,108.76 81.25,108.5 IC33.50@81.25,107.175 ; v1(81.2,97.4) 81.25,97.35 IC33.31@81.25,96.025 ; IC33.42@83.575,102.35 84.92,102.35 85.16,102.11 C206.2@85.2,102.11
  Top Layer w0.4: IC36.16@80.2,117.05 80.225,117.075 80.225,118.415 C215.2@80.31,118.5
  Top Layer w0.5: C213.2@20.7,68.4 v1(20.7,69.1) ; IC38.5@74.15,112.05 74.4,112.05 74.8,112.45 75.46,112.45 C221.2@75.5,112.49 75.49,112.49 75.35,112.63 v1(75.35,113.175) ; v1(80.3,119.2) 80.327,119.2 80.309,119.182 C215.2@80.31,118.5 ; C206.2@85.2,102.11 85.205,102.105 85.895,102.105 v1(85.9,102.1) ; v1(86.19,104.01) C220.2@86.19,104.7
  Layer 1 w0.175: v1@84.147,118.138 84.2,118.19 v1(84.2,118.2)
  Bottom Layer w0.175: v1(64.175,94.3) 64.18,94.295 R112.2@64.18,93.6 ; R119.2@67.7,94.58 v1(67.7,95.4) ; v1(79.4,91.9) 80.2,92.7 R301.2@84.32,92.7 R245.2@84.32,91.1 ; v1(100.325,105.375) 106.425,105.375 108.91,102.89 JP7.2@115.4,102.89
  Bottom Layer w0.2: R307.2@81.18,104.1 R308.2@81.18,103.1 R309.2@81.18,102.1 v1@81.925,102.1
  Bottom Layer w0.3: C212.2@73.7,99.36 73.72,99.38 v1@74.38,99.38 ; v1@74.204,99.36 74.36,99.36 v1@74.38,99.38 ; v1(74.4,99.4) v1@74.38,99.38 ; IC35.8@75.045,98.9 75.045,99.21 74.895,99.36 74.4,99.36 v1@74.38,99.38
  Bottom Layer w0.5: L45.1@67.9,106.69 69.79,106.69 v1(71.7,108.6) ; v1(75.7,97.4) 75.7,97.373 75.77,97.303 75.77,96.74 C204.2@75.81,96.7 ; v1(81.2,97.4) 81.21,97.39 C205.2@81.21,96.7
  other v1: 81.9,102.1
+V3.3_DBG_EN: JP7.1 R102.2 R109.2 R115.2 R120.2 R147.2 | length 77.4
  Top Layer w0.175: R120.2@60.58,99 60.605,98.975 61.695,98.975 R147.2@61.7,98.98 61.702,98.98 61.707,98.975 62.795,98.975 R102.2@62.82,99 62.87,99.05 62.87,99.47 62.998,99.598 64.102,99.598 66.2,97.5 v1(66.2,95.4) ; v1(108.05,97.25) 108.05,96.225 108.925,95.35 113.95,95.35 115.4,96.8 JP7.1@115.4,100.35
  Bottom Layer w0.175: R109.2@64.18,91.4 R109.2@64.18,91.402 ; v1(66.2,95.4) 66.2,94.161 65.312,93.273 65.312,92.149 64.727,91.564 64.342,91.564 R109.2@64.18,91.402 ; v1(108.05,97.25) 106.086,99.215 96.839,99.215 87.723,90.098 69.882,90.098 68.902,91.078 68.877,91.078 68.68,91.275 R115.2@68.68,91.3 68.555,91.175 68.555,90.83 67.75,90.025 65.487,90.025 64.377,91.135 64.377,91.205 R109.2@64.18,91.402
+V3.3_PCIE_1: C139.2 C144.2 C145.2 C147.2 D38.C IC25.8 L8.2 L22.2 R208.2 R209.2 R212.2 R220.1 R221.1 R222.2 R223.2 R225.1 R227.2 X13.2 X13.39 X13.41 X13.52 | length 72.4
  Top Layer w0.175: v1(101.7,85.5) R227.2@102.52,85.5 ; v1(101.882,87.985) 101.89,87.992 102.492,87.992 R225.1@102.5,88 ; v1(102.4,94.1) 102.46,94.04 102.46,93.06 R220.1@102.52,93 102.523,92.998 102.523,90.502 R221.1@102.52,90.5 102.56,90.46 102.56,89.74 v1(102.6,89.7)
  Layer 1 w0.6: v1(65.1,72.3) 66.78,70.62 v1(67.98,70.62) 68.36,71 78.1,71 79.7,69.4 82.9,69.4 v1(83.9,70.4)
  Bottom Layer w0.175: v1(67.98,70.62) R208.2@67.98,71.5 ; v1(84.2,74.9) 84.21,74.89 85.19,74.89 R212.2@85.2,74.88 ; C145.2@84.7,85.35 84.8,85.35 C145.2@84.807,85.35 ; D38.C@99.548,78.386 99.673,78.261 100.719,78.261 R223.2@100.8,78.18 R222.2@101.9,78.18 ; v1(101.7,85.5) 101.7,87.688 101.882,87.87 v1(101.882,87.985) 101.882,88.982 v1(102.6,89.7)
  Bottom Layer w0.2: R209.2@65.02,71.5 65.1,71.58 v1(65.1,72.3) ; R223.2@100.8,78.18 v1(100.8,78.9)
  Bottom Layer w0.25: C139.2@65.1,73.01 65.265,73.175 65.375,73.175 65.5,73.3 66.079,73.3 IC25.8@66.325,73.3
  Bottom Layer w0.5: v1(65.1,72.3) C139.2@65.1,73.01
  Bottom Layer w0.6: v1(83.5,61.5) 83.725,61.275 84.35,61.275 C147.2@84.4,61.225 85.325,61.225 85.7,61.6 X13.52@87,61.6 ; v1(83.65,85.35) C145.2@84.7,85.35 ; v1(83.9,70.4) 83.9,71 83.8,71.1 L8.2@83.9,71.2 ; C145.2@84.8,85.35 85.35,84.8 X13.2@87,84.8 87,86.1 89,88.1 89,89.3 94.9,95.2 101.3,95.2 v1(102.4,94.1) ; X13.41@95.2,66 v1(96.9,66) ; X13.39@95.2,66.8 v1(96.9,66.8)
  other v1: 96.9,65.3
+V3.3_PCIE_1_UNFILT: C146.2 L22.1 T32.3
+V3.3_SD: C98.2 C99.2 C100.2 IC17.1 R127.2 X7.4 | length 5.8
  Top Layer w0.175: IC17.1@98.3,115 98.325,115.025 100.025,115.025 101.05,114 101.05,113.495 102.52,112.025 R127.2@102.52,112
  other v1: 97.4,116.5 97.4,117.3 97.4,118.1